# KiCad board Soldered Inkplate 6 FLICK_panel.kicad_pcb (continued)
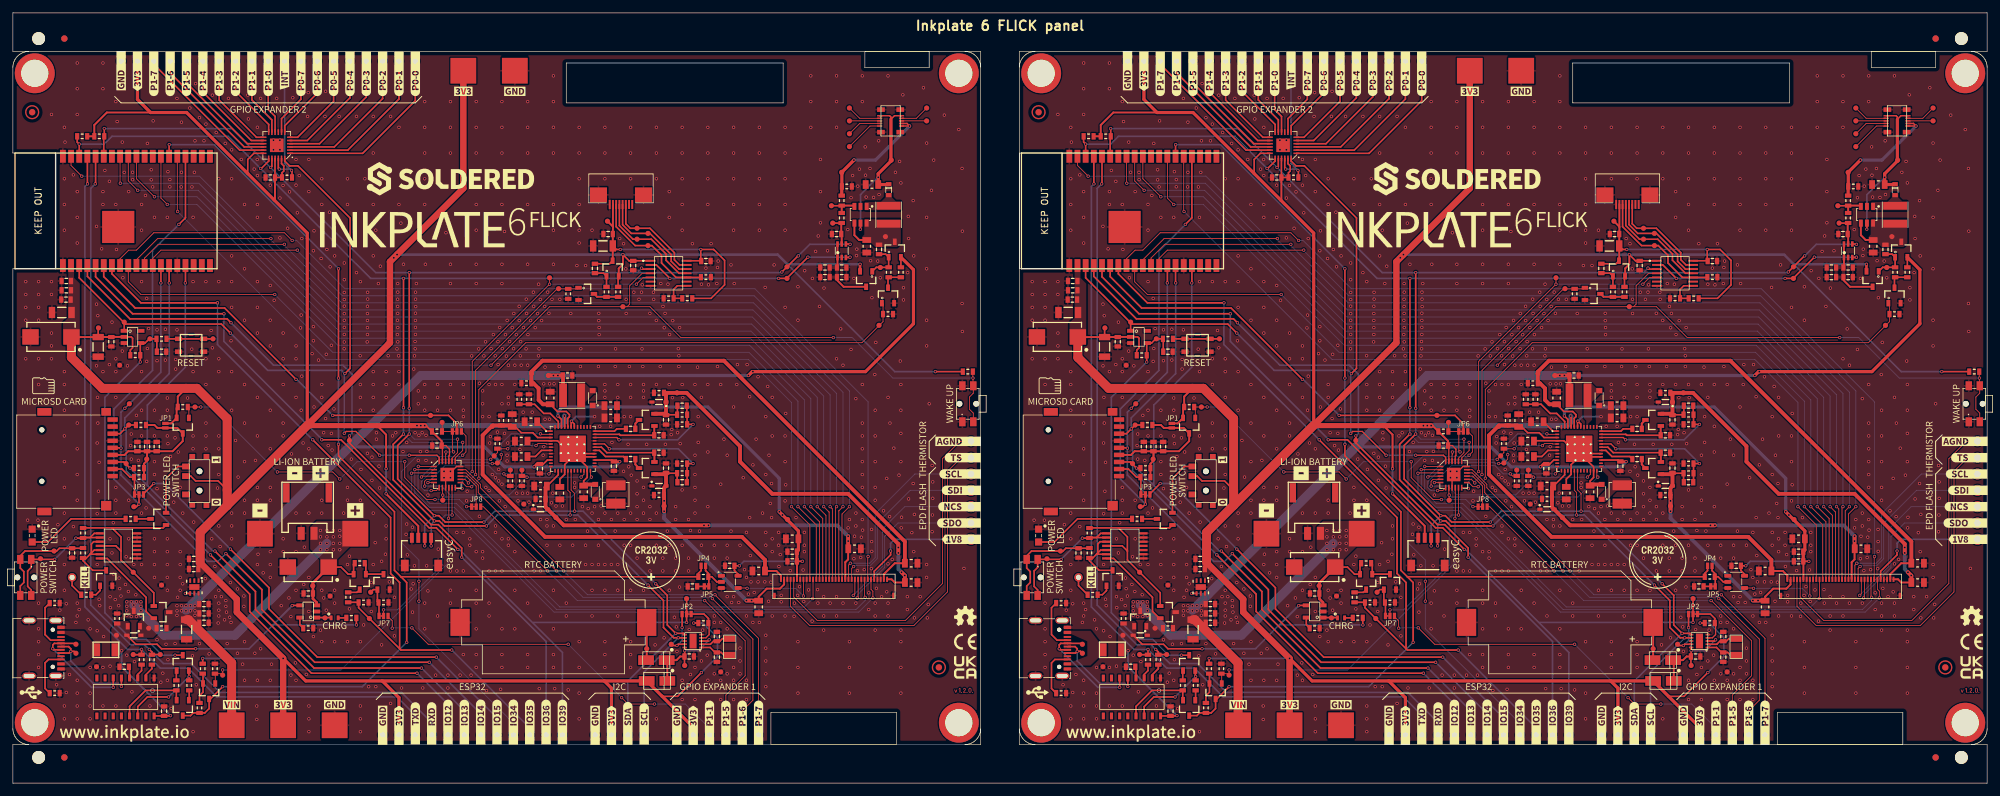
[diagram p0: board, top side]
## Routing (per net, layer and track width the routed paths; a pad name or vN(x,y) marks a point on that pad's centre or on a via; arc(x,y) is an arc through that point) (continued)
  Bottom w0.127: v1(265.5,29.3) 245.7,29.3 v1(242,33)
Board_1-/POWER/INT_LDO: length 4
  Top w0.254: U1.7 238.55,51.75 237.6,50.8 C4#2.2
Board_1-/POWER/TS: length 8
  Top w0.254: R1.2 R2#2.2 237.48,58.93 238.9,57.5 239.9,57.5 241.15,56.25 U1.47
Board_1-/POWER/VB: length 5.9
  Top w0.254: U1.43 243.15,56.25 v1(243.2,56.3) 243.65,55.85 U1.42
  Bottom w0.3: v1(246.8,57) 243.9,57 v1(243.2,56.3)
Board_1-/POWER/VN: length 21.8
  Top w0.254: C9#2.1 245.1,47 245.65,47.55 U1.23 245.65,49.17 244.62,50.2 U1.49 ; C3.2 236.43,53.25 U1.4 241.04,53.25 U1.49 ; U1.29 245.27,51.25 U1.49 ; C7.2 241.4,47.28 242.15,48.03 U1.16 242.15,49.54 U1.49 ; U1.28 244.65,50.75 U1.49
  Top w0.6: C9#2.1 245.28,46.45 D1.2
Board_1-/POWER/VREF: length 2.7
  Top w0.254: C1.2 239.33,54.75 U1.1
Board_1-/SD_RTC_GPIO/X1: length 4.9
  Top w0.254: U7#2.1 264.75,21.1 265.52,20.33 C36#2.2 266.47,20.33 266.88,19.93 X1#2.1
Board_1-/SD_RTC_GPIO/X2: length 4.8
  Top w0.254: X1#2.2 266.68,22.48 266.27,22.07 C37#2.2 265.27,22.07 264.8,21.6 U7#2.2
Board_1-AGND: length 54.7
  Top w0.127: K15#2.5 277.75,28.95 281.4,25.3 295.1,25.3 300.85,31.05 300.85,50.45 303.56,53.16 K13#2.1
Board_1-BCK_ANODE: length 26.9
  Top w0.23: K11.10 292.65,103.8 292.85,103.6 292.85,103.25 293.4,103.8 K11.9
  Top w0.254: U10.5 288.13,86.18 v1(288.1,86.15)
  Top w0.4: 292.45,93.1 D13#2.2
  Top w0.5: 292.85,103.25 292.85,96.75 290.88,94.78 v1(290.88,94.23) C51.2 292.45,93.1
  Bottom w0.254: v1(288.1,86.15) 288.13,86.18 288.13,91.53 290.85,94.25 v1(290.88,94.23)
Board_1-BCK_CATHODE: length 19.8
  Top w0.23: K11.1 v1(295.75,102.2) 295.35,102.6 K11.3
  Top w0.5: R54.2 285.23,95.03 v1(287.1,96.9) ; R55#2.1 285.2,92.78
  Bottom w0.5: v1(295.75,102.2) 290.45,96.9 v1(287.1,96.9)
Board_1-BCK_MOS: length 6.1
  Top w0.254: Q13#2.1 290.58,80.23 R53#2.2 Q15.1 292.03,82.27 C52.1
Board_1-CHRG-LED: length 2.3
  Top w0.254: D10#2.2 205.8,25.75 U6.1
Board_1-CLKOUT_RTC: length 7.5
  Top w0.254: U7#2.9 259.8,21.6 v1(259.6,21.4) 258.9,21.4 TP74.TP ; v1(260.4,24.2) JP3#2.3
  Bottom w0.254: v1(260.4,24.2) 260.4,22.2 v1(259.6,21.4)
Board_1-D+: length 16.9
  Top w0.254: v1(165.4,20.5) 165.4,20.9 165.06,21.24 K1.A6 ; v1(165.4,20.5) 165.9,20.5 TP18#2.TP ; v1(165.4,20.5) 165.14,20.24 K1.B6 ; U2.5 v1(173.27,15.04)
  Bottom w0.254: v1(173.27,15.04) 172.8,15.5 168.9,15.5 165.4,19 v1(165.4,20.5)
Board_1-D-: length 19
  Top w0.254: U2.6 172,14.91 v1(172,14.9) ; TP17.TP 166.06,21.74 K1.B7 162.84,21.74 162.6,21.5 v1(162.6,20.9) 162.76,20.74 K1.A7
  Bottom w0.254: v1(172,14.9) 168.6,14.9 v1(162.6,20.9)
Board_1-DAC_OUT: length 4.5
  Top w0.127: 285.18,87.1 R56.2
  Top w0.254: TP42.TP 285.18,87.1
  Top w0.3: U9.5 285.2,85.33 ; C49.2 285.13,87.06
Board_1-EPD_CKV: length 157.5
  Top w0.127: K15#2.28 289.25,35.2 v1(289.3,35.25) ; U14.8 173.06,81.56 174.4,82.9 175.6,82.9 178.3,85.6 198.6,85.6 v1(199.8,84.4)
  Bottom w0.127: v1(199.8,84.4) 200.5,84.4 208,76.9 271.7,76.9 289.3,59.3 v1(289.3,35.25)
Board_1-EPD_CL: length 13.3
  Top w0.127: v1(279.25,29.1) K15#2.8 ; v1(270.5,30.3) 270.45,30.35 U12.4
  Bottom w0.127: v1(279.25,29.1) 278.05,30.3 v1(270.5,30.3)
Board_1-EPD_D0: length 148.4
  Top w0.127: v1(279.4,43) 281.75,40.65 K15#2.13 ; U14.26 179.41,90.99 v1(180.4,90)
  Bottom w0.127: v1(180.4,90) 185,90 206.9,68.1 270.9,68.1 279.4,59.6 v1(279.4,43)
Board_1-EPD_D1: length 151.3
  Top w0.127: v1(280.4,43) 282.25,41.15 K15#2.14 ; U14.29 175.6,94 v1(178.4,91.2)
  Bottom w0.127: v1(280.4,43) 280.4,59.8 271,69.2 207,69.2 185,91.2 v1(178.4,91.2)
Board_1-EPD_D2: length 153.7
  Top w0.127: v1(175.8,92.2) 174.33,93.67 U14.30 ; K15#2.15 282.75,41.65 v1(281.4,43)
  Bottom w0.127: v1(175.8,92.2) 185.2,92.2 207.1,70.3 271.1,70.3 281.4,60 v1(281.4,43)
Board_1-EPD_D3: length 156.1
  Top w0.127: U14.31 173.06,93.34 v1(173.1,93.3) ; v1(282.4,43) 283.25,42.15 K15#2.16
  Bottom w0.127: v1(173.1,93.3) 185.3,93.3 207.2,71.4 271.2,71.4 282.4,60.2 v1(282.4,43)
Board_1-EPD_D4: length 163
  Top w0.127: K15#2.17 283.75,42.65 v1(283.4,43) ; v1(167.1,94.4) 165.44,96.06 U14.37
  Bottom w0.127: v1(283.4,43) 283.4,60.4 271.3,72.5 207.3,72.5 185.4,94.4 v1(167.1,94.4)
Board_1-EPD_D5: length 150.1
  Top w0.127: v1(284.4,43) 284.25,42.85 K15#2.18 ; v1(196.5,84.7) 178.9,84.7 175.6,81.4 U14.10
  Bottom w0.127: v1(284.4,43) 284.4,60.6 271.4,73.6 207.4,73.6 196.5,84.5 v1(196.5,84.7)
Board_1-EPD_D6: length 149.6
  Top w0.127: U14.11 176.87,81.67 179,83.8 v1(198.6,83.8) ; v1(285.4,43) 284.75,42.35 K15#2.19
  Bottom w0.127: v1(198.6,83.8) 198.6,83.6 207.5,74.7 271.5,74.7 285.4,60.8 v1(285.4,43)
Board_1-EPD_D7: length 148.8
  Top w0.127: v1(286.4,43) 285.25,41.85 K15#2.20 ; U14.12 178.14,81.63 179.41,82.9 v1(200.6,82.9)
  Bottom w0.127: v1(286.4,43) 286.4,61 271.6,75.8 207.6,75.8 200.6,82.8 v1(200.6,82.9)
Board_1-EPD_GMODE: length 88
  Top w0.127: U13.2 218.88,48.75 v1(218.86,48.76) ; K15#2.27 288.75,29 v1(288.85,28.9)
  Bottom w0.127: v1(218.86,48.76) 218.86,45.14 221.1,42.9 225,42.9 240.9,27 287.43,27 288.85,28.43 v1(288.85,28.9)
Board_1-EPD_LE: length 145
  Top w0.127: v1(182,88.9) 181.95,88.95 U14.24 ; v1(277.4,43) 280.25,40.15 K15#2.10
  Bottom w0.127: v1(277.4,43) 277.4,59.2 270.7,65.9 205,65.9 v1(182,88.9)
Board_1-EPD_OE: length 78.7
  Top w0.127: v1(219.4,49.26) 219.41,49.25 U13.1 ; K15#2.11 280.75,28.75 v1(280.7,28.7)
  Bottom w0.127: v1(219.4,49.26) 219.38,49.24 219.38,45.33 221.2,43.5 225.3,43.5 241.4,27.4 279.4,27.4 v1(280.7,28.7)
Board_1-EPD_SPH: length 143.2
  Top w0.127: v1(197.1,76) 176.3,76 174.33,77.97 U14.9 ; v1(278.4,43) 281.25,40.15 K15#2.12
  Bottom w0.127: v1(278.4,43) 278.4,59.4 270.8,67 206.1,67 v1(197.1,76)
Board_1-EPD_SPV: length 90
  Top w0.127: v1(290.05,28.8) 290.05,29.85 289.75,30.15 K15#2.29 ; v1(218.35,48.2) 218.4,48.25 U13.3
  Bottom w0.127: v1(290.05,28.8) 287.85,26.6 240.5,26.6 224.7,42.4 221,42.4 218.35,45.05 v1(218.35,48.2)
Board_1-EXP2_INT: length 22.3
  Top w0.254: U15#2.22 197.65,95.65 v1(197.8,95.5) ; R60#2.2 199.78,95.23 v1(199.7,95.3)
  Bottom w0.254: K40.1 198.62,96.38 v1(199.7,95.3) 199.5,95.5 v1(197.8,95.5)
Board_1-FRONTLIGHT_FB: length 4.6
  Top w0.127: 285.18,89.8 R55#2.2
  Top w0.254: TP48#2.TP 285.18,89.8
  Top w0.3: R56.1 R55#2.2 287.05,89.83
Board_1-GND: length 3.5
  Top w0.2: U13.18 225.35,49.25 224.6,48.5 v1(224.4,48.5) ; U13.9 223.65,47.25 v1(223.4,47.5)
  vias: v1(158.4,78) v1(158.4,76) v1(158.4,74) v1(158.4,72) v1(158.4,66) v1(158.7,40.9) v1(160.3,40.9) v1(160.4,78) v1(160.4,76) v1(160.4,74) v1(160.4,72) v1(160.4,66) v1(160.4,62) v1(160.4,28) v1(160.4,24) v1(160.4,22) v1(160.4,20) v1(160.4,18) v1(162.4,104) v1(162.4,78) v1(162.4,76) v1(162.4,70) v1(162.4,68) v1(162.4,66) v1(163.2,15.3) v1(163.4,40.2) v1(163.7,26.9) v1(164.4,102) v1(164.4,94) v1(164.4,90) v1(164.4,86) v1(164.4,64) v1(164.4,62) v1(164.4,58) v1(164.4,54) v1(164.4,50) v1(164.4,46) v1(164.4,42) v1(164.4,38) v1(164.4,34) v1(164.4,30) v1(164.4,12) v1(164.4,10) v1(164.5,99.7) v1(164.7,27.9) v1(164.7,14.1) v1(165.2,16.9) v1(165.8,94.6) v1(165.8,39.9) v1(166.2,25) v1(166.4,112) v1(166.4,108) v1(166.4,104) v1(166.4,92) v1(166.4,88) v1(166.4,84) v1(166.4,56) v1(166.4,52) v1(166.4,48) v1(166.4,44) v1(166.4,28) v1(166.4,26) v1(166.4,16) v1(166.4,14) v1(166.4,12) v1(166.4,10) v1(166.7,27) v1(168.1,25.4) v1(168.4,24) v1(168.4,18) v1(168.4,14) v1(168.4,12) v1(168.4,10) v1(169.4,86.6) v1(169.4,74.5) v1(169.4,64.9) v1(169.5,52.9) v1(169.5,41.9) v1(169.5,34) v1(169.5,23.7) v1(169.6,72.7) v1(169.55,60) v1(169.6,56) v1(169.7,45.4) v1(169.8,49.9) v1(169.8,28.6) v1(169.9,27.6) v1(170.2,83.1) v1(170.4,112) v1(170.4,108) v1(170.4,92) v1(170.4,90) v1(170.4,64) v1(170.4,18) v1(170.4,12) v1(170.5,22.8) v1(170.7,95.3) v1(171.4,93.6) v1(171.4,65.1) v1(171.5,38) v1(171.5,29) v1(171.5,18.2) v1(171.55,27.3) v1(171.8,71.7) v1(171.8,35.8) v1(172,40.5) v1(172.05,32.5) v1(172.3,28.55) v1(172.4,106) v1(172.4,90) v1(172.4,66) v1(172.4,64) v1(172.4,60) v1(172.4,46) v1(172.4,44) v1(172.4,42) v1(172.4,12) v1(172.5,83) v1(172.6,102.9) v1(172.9,31.9) v1(172.85,27.6) v1(173,30.25) v1(173.2,29.1) v1(173.4,99.7) v1(173.4,67.2) v1(173.5,78.6) v1(173.7,95) v1(173.9,30.9) v1(174,35.2) v1(174.1,19.9) v1(174.2,64.9) v1(174.4,92) v1(174.4,44) v1(174.4,38) v1(174.35,29.8) v1(174.7,52.5) v1(174.8,54.3) v1(174.8,50.4) v1(174.9,14.2) v1(175,95) v1(175.01,93.86) v1(175.2,34) v1(175.3,18.9) v1(175.5,29.3) v1(175.6,57.2) v1(175.9,50.2) v1(176.4,90) v1(176.4,86) v1(176.4,78) v1(176.4,64) v1(176.4,58) v1(176.4,54) v1(176.4,42) v1(176.4,34) v1(177,91.4) v1(177.1,42.8) v1(177.2,75.4) v1(177.2,65.6) v1(177.3,99.5) v1(177.3,67.6) v1(177.5,70.7) v1(177.7,12) v1(177.9,95.4) v1(177.9,93.83) v1(178.13,92.73) v1(178.2,103) v1(178.4,88) v1(178.4,58) v1(178.4,54) v1(178.4,50) v1(178.4,48) v1(178.4,38) v1(178.4,36) v1(178.4,34) v1(178.4,32) v1(178.8,70.5) v1(178.8,65.7) v1(178.8,45.8) v1(178.8,22.3) v1(179.4,15.7) v1(179.7,17.1) v1(180.1,70.6) v1(180.1,65.8) v1(180.2,21.6) v1(180.4,88) v1(180.4,59.9) v1(180.4,58) v1(180.4,54) v1(180.4,38) v1(180.4,36) v1(180.4,34) v1(180.4,32) v1(180.4,30) v1(180.4,16) v1(180.5,95.1) v1(180.5,52.8) v1(180.5,19.2) v1(180.8,93.87) v1(180.79,92.74) v1(180.9,50.8) v1(181,11.6) v1(181.4,43.7) v1(181.6,53.7) v1(181.6,21.7) v1(181.7,65.9) v1(181.7,64.4) v1(181.9,106.5) v1(181.9,70.5) v1(182,28.9) v1(182.1,51.5) v1(182.4,46) v1(182.4,36) v1(182.4,34) v1(182.4,32) v1(182.4,30) v1(182.6,102.8) v1(182.6,95) v1(182.56,92.73) v1(182.8,42) v1(182.8,31) v1(183.55,59.9) v1(183.9,105) v1(184.23,92.72) v1(184.2,67.5) v1(184.3,19.8) v1(184.4,88) v1(184.4,78) v1(184.4,64) v1(184.4,54) v1(184.4,52) v1(184.4,8) v1(184.5,40.6) v1(184.6,95) v1(184.7,99.9) v1(184.8,108.8) v1(184.9,15.3) v1(185.4,103.5) v1(185.4,21.7) v1(186.1,99.9) v1(186.3,31.8) v1(186.4,102.5) v1(186.4,78) v1(186.4,66) v1(186.4,62) v1(186.4,56) v1(186.4,54) v1(186.4,52) v1(186.9,20.1) v1(187.2,70.4) v1(187.3,38) v1(187.4,107) v1(187.4,67.7) v1(187.8,33.7) v1(187.9,29) v1(188,101.2) v1(188.2,45.9) v1(188.3,24.9) v1(188.4,94) v1(188.4,78) v1(188.4,66) v1(188.4,64) v1(188.4,60) v1(188.4,54) v1(188.4,52) v1(188.4,48) v1(188.4,40) v1(188.4,30) v1(188.4,28) v1(188.4,26.9) v1(188.4,26) v1(188.6,36.8) v1(188.8,29) v1(189.3,25.4) v1(189.4,99.5) v1(189.5,28.4) v1(189.5,27.5) v1(189.6,26.6) v1(189.7,21.7) v1(189.9,106.5) v1(190.1,25.8) v1(190.2,31.2) v1(190.3,68.8) v1(190.3,25) v1(190.4,98.5) v1(190.4,94) v1(190.4,82) v1(190.4,78) v1(190.4,74) v1(190.4,64) v1(190.4,58) v1(190.4,42) v1(190.4,40) v1(190.4,38) v1(191,53.3) v1(191.3,30.2) v1(191.3,20.2) v1(191.4,47.6) v1(191.9,97) v1(192.1,18.5) v1(192.3,29.1) v1(192.3,27.5) v1(192.4,90) v1(192.4,80) v1(192.4,72) v1(192.4,62) v1(192.4,56) v1(192.4,50) v1(192.4,44) v1(192.4,42) v1(192.4,22) v1(192.4,16) v1(192.9,107) v1(193,103.3) v1(193.9,95.5) v1(194,20.2) v1(194.1,50.2) v1(194.3,12) v1(194.3,9.9) v1(194.4,102) v1(194.37,96.99) v1(194.4,94.5) v1(194.4,90) v1(194.4,88) v1(194.4,78) v1(194.4,74) v1(194.4,70) v1(194.4,60) v1(194.4,54) v1(194.4,46) v1(194.4,44) v1(194.4,34) v1(194.4,16) v1(194.5,35.6) v1(194.9,106.5) v1(194.9,20.9) v1(195.3,32.7) v1(196.4,93) v1(196.4,88) v1(196.4,77.4) v1(196.4,72) v1(196.4,68) v1(196.4,58) v1(196.4,52) v1(196.4,46) v1(196.4,44) v1(196.4,36) v1(196.4,34) v1(196.4,32) v1(196.4,16) v1(196.6,18.5) v1(196.9,100) v1(196.9,98.5) v1(197,75.1) v1(197.4,106.5) v1(197.9,100) v1(197.9,98.5) v1(197.9,91) v1(197.9,84.8) v1(198.1,27.6) v1(198.38,92.97) v1(198.4,70) v1(198.4,66) v1(198.4,62) v1(198.4,56) v1(198.4,54) v1(198.4,38) v1(198.4,36) v1(199.1,86.3) v1(199.3,28.8) v1(199.4,91.96) v1(199.6,25.9) v1(199.6,16.8) v1(199.7,51.2) v1(199.9,106.6) v1(200.3,18.7) v1(200.4,97) v1(200.4,93) v1(200.4,68) v1(200.4,66) v1(200.4,60) v1(200.4,42) v1(200.4,36) v1(200.4,30) v1(200.4,16) v1(200.6,88.7) v1(200.9,94.5) v1(201.1,70.8) v1(201.2,72.8) v1(201.2,58) v1(201.3,84.7) v1(201.3,63.3) v1(201.5,52.9) v1(201.6,30.9) v1(201.7,36.7) v1(202,16.9) v1(202.2,103.7) v1(202.3,107.4) v1(202.4,97) v1(202.4,92) v1(202.4,52) v1(202.4,42) v1(202.4,32) v1(202.4,26.7) v1(202.4,12) v1(202.4,10) v1(202.4,8) v1(202.9,66.8) v1(203.1,82.8) v1(203.1,71) v1(203.1,68.8) v1(203.1,22.8) v1(203.2,85.9) v1(203.2,58.5) v1(203.9,65.8) v1(204.2,23.8) v1(204.3,81.6) v1(204.4,94) v1(204.4,90) v1(204.4,62) v1(204.4,60) v1(204.4,44) v1(204.4,42) v1(204.4,30) v1(204.4,22) v1(204.7,54.5) v1(204.7,28.8) v1(204.9,103.7) v1(205,107.6) v1(205,56.7) v1(205.1,66.7) v1(205.1,26.9) v1(205.2,83) v1(205.4,52.5) v1(205.6,88.8) v1(205.7,80.3) v1(205.9,68.1) v1(205.9,54.4) v1(206,51.8) v1(206.3,58.2) v1(206.4,82) v1(206.4,30) v1(206.4,28) v1(206.4,22) v1(207.1,103.7) v1(207.8,42) v1(207.9,80.9) v1(207.9,78.3) v1(207.9,76.31) v1(207.9,75.21) v1(207.9,74.19) v1(207.9,73.01) v1(207.9,71.99) v1(207.9,70.89) v1(207.9,69.79) v1(207.9,68.61) v1(207.88,67.55) v1(208.4,94) v1(208.4,90) v1(208.4,46) v1(208.4,44) v1(208.4,34) v1(208.4,22) v1(208.7,35.3) v1(208.7,27.1) v1(209,50.4) v1(209.8,103.7) v1(209.8,79.4) v1(210.4,78) v1(210.37,66.48) v1(210.4,62) v1(210.4,60) v1(210.4,58) v1(210.4,44) v1(210.4,22) v1(210.4,12) v1(210.4,10) v1(210.4,8) v1(210.5,48.8) v1(210.9,24.6) v1(211.1,94) v1(211.53,76.34) v1(211.54,75.28) v1(211.5,74.17) v1(211.5,73.04) v1(211.5,71.96) v1(211.5,70.85) v1(211.5,69.78) v1(211.46,68.63) v1(211.5,51.3) v1(211.7,15) v1(212.1,31.2) v1(212.1,26.7) v1(212.2,50.7) v1(212.2,47.1) v1(212.4,103.7) v1(212.4,98) v1(212.4,90) v1(212.4,82) v1(212.4,64) v1(212.4,62) v1(212.4,60) v1(212.4,58) v1(212.4,42) v1(212.4,34) v1(212.7,37.4) v1(212.8,86) v1(212.8,15) v1(212.9,54.5) v1(212.9,53.5) v1(213.2,77.7) v1(213.3,49.3) v1(213.4,45.9) v1(213.5,80.4) v1(213.7,34.5) v1(213.7,21.5) v1(214.3,35.6) v1(214.4,64) v1(214.4,62) v1(214.4,60) v1(214.4,40) v1(214.4,38) v1(214.72,66.48) v1(214.9,31.3) v1(215.1,103.7) v1(215.1,12.4) v1(215.4,54) v1(215.7,28.9) v1(215.7,22.9) v1(215.9,54.5) v1(216.09,67.54) v1(216.2,77.7) v1(216.22,76.37) v1(216.19,75.26) v1(216.19,74.15) v1(216.2,73.06) v1(216.17,71.98) v1(216.22,70.85) v1(216.15,69.77) v1(216.22,68.63) v1(216.35,66.46) v1(216.4,102) v1(216.4,90) v1(216.4,64) v1(216.4,62) v1(216.7,87.1) v1(216.8,14.8) v1(217.03,51.57) v1(217.1,80.7) v1(217.5,38.7) v1(217.6,53) v1(217.6,40.3) v1(217.7,35.5) v1(218.3,30.2) v1(218.5,39.8) v1(218.5,26.6) v1(218.6,31) v1(218.7,64.4) v1(218.82,66.45) v1(218.8,33.8) v1(218.9,68.69) v1(218.92,67.55) v1(218.9,54.5) v1(218.97,76.36) v1(218.99,75.27) v1(219,74.11) v1(218.96,73.09) v1(218.96,71.96) v1(218.96,70.89) v1(218.96,69.78) v1(219.1,77.7) v1(219.4,61) v1(219.4,59) v1(219.4,50.2) v1(219.5,54.1) v1(219.73,51.57) v1(220,54.5) v1(220.1,14.8) v1(220.4,106) v1(220.4,102) v1(220.4,98) v1(220.4,94) v1(220.4,90) v1(220.4,62) v1(220.4,60) v1(220.4,58) v1(220.4,28) v1(220.4,24) v1(220.5,80.7) v1(220.6,54.1) v1(220.6,50.2) v1(220.75,51.59) v1(220.7,33.8) v1(220.9,44.8) v1(220.9,29.9) v1(222.1,16.8) v1(222.4,62) v1(222.4,60) v1(222.4,58) v1(222.4,26) v1(222.5,36.4) v1(223.4,48.5) v1(223.7,85.6) v1(224,16.8) v1(224,14.8) v1(224.4,106) v1(224.4,102) v1(224.4,98) v1(224.4,80.7) v1(224.4,77.7) v1(224.4,62) v1(224.4,60) v1(224.4,58) v1(224.4,47.5) v1(224.4,33) v1(224.4,30) v1(224.4,28) v1(225.4,39) v1(225.4,33) v1(225.9,16.8) v1(226.4,62) v1(226.4,60) v1(226.4,58) v1(226.4,57) v1(226.4,39) v1(226.4,33) v1(226.4,20) v1(226.9,43.9) v1(227,45.4) v1(227.4,38) v1(227.4,37) v1(227.6,16.8) v1(227.7,66.44) v1(228.4,106) v1(228.4,102) v1(228.4,98) v1(228.4,90) v1(228.4,86) v1(228.4,80.7) v1(228.4,77.7) v1(228.4,36) v1(228.4,30) v1(228.4,28) v1(228.4,24) v1(228.4,20) v1(228.4,18) v1(228.79,67.53) v1(228.9,62.2) v1(228.9,41.5) v1(229.4,61) v1(229.4,59) v1(229.4,57) v1(229.4,36) v1(229.4,35) v1(229.6,66.45) v1(229.85,68.63) v1(229.9,46) v1(230,14.4) v1(230.4,62) v1(230.4,57) v1(230.4,45.5) v1(230.4,33) v1(230.4,28) v1(230.4,26) v1(230.5,52.9) v1(230.6,53.9) v1(230.71,67.59) v1(230.9,48) v1(231.07,69.76) v1(231.35,66.46) v1(231.4,62) v1(231.4,47.5) v1(231.4,40) v1(231.4,39) v1(231.4,33) v1(231.7,54.6) v1(231.79,68.66) v1(231.8,65.1) v1(231.9,48.8) v1(231.9,47) v1(232,43.9) v1(232.06,70.87) v1(232.2,14.6) v1(232.4,106) v1(232.4,102) v1(232.4,98) v1(232.4,90) v1(232.4,80.7) v1(232.4,77.7) v1(232.4,62) v1(232.4,59) v1(232.4,46.5) v1(232.4,38) v1(232.4,33) v1(232.4,24) v1(232.4,20) v1(232.4,18) v1(232.46,67.59) v1(232.8,85.8) v1(232.8,54.4) v1(232.9,43) v1(232.95,69.75) v1(233.09,66.42) v1(233.21,71.97) v1(233.2,51) v1(233.2,50.1) v1(233.3,52.9) v1(233.4,65) v1(233.4,60) v1(233.4,59) v1(233.4,38) v1(233.4,37) v1(233.6,68.67) v1(234,70.84) v1(234.22,67.57) v1(234.25,73.05) v1(234.4,65) v1(234.4,62) v1(234.4,36) v1(234.4,30) v1(234.4,24) v1(234.63,69.74) v1(234.7,45.1) v1(234.9,43.9) v1(235.08,74.16) v1(235.09,71.95) v1(235.2,51.9) v1(235.31,68.68) v1(235.26,66.45) v1(235.4,65) v1(235.6,45.1) v1(235.74,70.87) v1(235.7,57.7) v1(236.18,75.27) v1(236.24,73.06) v1(236.15,67.55) v1(236.4,106) v1(236.4,102) v1(236.4,98) v1(236.4,90) v1(236.4,80.7) v1(236.45,69.76) v1(236.4,65) v1(236.4,45.1) v1(236.4,28) v1(236.4,20) v1(236.4,18) v1(236.6,43.7) v1(236.86,71.96) v1(237.1,57.7) v1(237.28,76.36) v1(237.34,74.16) v1(237.4,33) v1(237.57,70.85) v1(237.93,73.03) v1(238.1,77.6) v1(238.08,66.46) v1(238.17,67.55) v1(238.2,14.7) v1(238.37,75.23) v1(238.4,41) v1(238.4,33) v1(238.4,26) v1(238.57,71.95) v1(238.8,51) v1(238.9,62.1) v1(238.9,52.33) v1(239.05,74.14) v1(239.1,64.7) v1(239.1,56.6) v1(239.4,41) v1(239.4,40) v1(239.4,37) v1(239.52,76.37) v1(239.7,73.08) v1(239.8,62.1) v1(239.8,56.6) v1(240.1,43.6) v1(240.18,75.26) v1(240.3,45.1) v1(240.4,110) v1(240.4,106) v1(240.4,102) v1(240.4,98) v1(240.4,90) v1(240.4,86) v1(240.4,80.7) v1(240.4,40) v1(240.4,30) v1(240.4,24) v1(240.4,20) v1(240.4,18) v1(240.5,62.1) v1(240.6,14.7) v1(240.8,43.1) v1(241.3,64.8) v1(241.4,75.25) v1(241.4,37) v1(241.8,43.1) v1(242.4,41) v1(242.4,28) v1(242.4,26) v1(242.7,14.5) v1(243.1,73.05) v1(243.4,37) v1(243.4,33) v1(243.7,46.7) v1(243.7,46) v1(243.8,41) v1(244.05,80.5) v1(244.4,102) v1(244.4,98) v1(244.4,94) v1(244.4,90) v1(244.4,86) v1(244.4,84) v1(244.4,22) v1(244.4,18) v1(244.4,14) v1(244.4,10) v1(244.6,64.8) v1(244.66,67.56) v1(244.9,43) v1(245.4,80.5) v1(245.4,37) v1(245.4,34) v1(245.7,39.2) v1(245.8,42.7) v1(246.4,86) v1(246.4,42) v1(246.4,34) v1(246.4,30) v1(246.4,26) v1(246.8,43) v1(247.4,64.8) v1(247.4,41) v1(247.4,37) v1(247.4,34) v1(247.45,73.07) v1(247.45,71.93) v1(247.5,70.86) v1(247.5,69.76) v1(247.6,55.5) v1(247.8,43.1) v1(248.4,102) v1(248.4,98) v1(248.4,94) v1(248.4,62) v1(248.4,61) v1(248.4,60) v1(248.4,42) v1(248.4,34) v1(248.4,30) v1(248.4,22) v1(248.4,20) v1(248.4,18) v1(249.3,55.5) v1(249.4,41) v1(249.4,34) v1(249.5,53) v1(250,64.8) v1(250,39.2) v1(250.06,67.54) v1(250.4,62) v1(250.4,60) v1(250.4,42) v1(250.4,34) v1(250.4,30) v1(250.4,26) v1(250.7,84.7) v1(251.3,83.9) v1(251.3,48.5) v1(251.4,57) v1(251.4,41) v1(251.4,37) v1(251.65,79.98) v1(251.7,75.25) v1(251.7,73.05) v1(252,52.7) v1(252.1,49.2) v1(252.2,64.8) v1(252.4,102) v1(252.4,98) v1(252.4,94) v1(252.4,62) v1(252.4,60) v1(252.4,57) v1(252.4,42) v1(252.4,37) v1(252.4,30) v1(252.4,22) v1(252.4,20) v1(252.4,18) v1(252.5,47.9) v1(252.9,76.35) v1(253.4,47) v1(253.4,45) v1(253.4,43) v1(253.4,41) v1(253.4,35) v1(253.7,75.25) v1(254.09,76.36) v1(254.2,77.5) v1(254.17,67.54) v1(254.3,64.8) v1(254.4,62) v1(254.4,61) v1(254.4,60) v1(254.4,46) v1(254.4,44) v1(254.4,42) v1(254.4,30) v1(254.9,52.7) v1(255.39,73.07) v1(255.4,43) v1(255.4,41) v1(255.4,33) v1(255.94,76.35) v1(255.99,75.25) v1(256.2,21.5) v1(256.4,102) v1(256.4,98) v1(256.4,94) v1(256.39,71.97) v1(256.4,62) v1(256.4,42) v1(256.4,37) v1(256.4,10) v1(257,64.8) v1(257.1,77.7) v1(257.43,74.15) v1(257.4,35) v1(257.4,33) v1(257.62,70.83) v1(257.6,22.6) v1(257.75,73.06) v1(257.8,52.7) v1(258.1,39.2) v1(258.2,77.6) v1(258.4,92) v1(258.4,88) v1(258.4,62) v1(258.4,37) v1(258.4,30) v1(258.46,69.77) v1(258.7,54.2) v1(258.8,55) v1(258.95,71.93) v1(258.9,59.95) v1(259.2,25.8) v1(259.4,43) v1(259.4,41) v1(259.4,35) v1(259.4,33) v1(259.5,24.3) v1(259.6,20.5) v1(259.7,54.5) v1(259.81,67.57) v1(259.9,66.47) v1(259.9,64.8) v1(260.02,70.85) v1(260,30.5) v1(260.1,52.8) v1(260.4,102) v1(260.4,98) v1(260.4,94) v1(260.4,90) v1(260.4,86) v1(260.4,62) v1(260.4,45.6) v1(260.4,37) v1(260.4,16) v1(260.4,13) v1(260.5,59.95) v1(261.4,41) v1(261.4,35) v1(261.4,33) v1(261.5,23.9) v1(261.7,39.3) v1(261.7,16.9) v1(262,83.9) v1(262.4,62) v1(262.4,51) v1(262.4,48) v1(262.4,46) v1(262.4,44) v1(262.4,42) v1(262.4,18) v1(262.4,13) v1(262.8,64.7) v1(262.9,57) v1(262.9,53) v1(263.1,39.2) v1(263.4,77.6) v1(263.4,60) v1(263.4,37) v1(263.4,19) v1(263.6,23.8) v1(264.1,80.1) v1(264.3,19.9) v1(264.4,102) v1(264.4,98) v1(264.4,94) v1(264.4,90) v1(264.4,62) v1(264.4,55.5) v1(264.4,51.5) v1(264.4,43) v1(264.4,16) v1(264.5,77.5) v1(264.9,83.9) v1(265.4,37) v1(265.4,35) v1(265.4,26) v1(265.4,25) v1(265.4,17) v1(265.8,77.7) v1(265.9,80.2) v1(265.9,64.8) v1(266,81.2) v1(266.4,62) v1(266.4,46.5) v1(266.4,25) v1(266.4,16) v1(266.4,13) v1(266.9,53.5) v1(267.4,51) v1(267.4,37) v1(267.4,35) v1(267.4,29) v1(267.4,24) v1(267.4,17) v1(268,80.6) v1(268,39.2) v1(268.1,28.1) v1(268.4,102) v1(268.4,98) v1(268.4,94) v1(268.4,90) v1(268.4,86) v1(268.4,58.5) v1(268.4,29) v1(268.4,18) v1(268.4,16) v1(268.4,13) v1(268.5,77.7) v1(268.9,62) v1(269,65.1) v1(269.2,28.1) v1(269.4,37) v1(269.4,21) v1(269.4,19) v1(269.4,17) v1(269.9,47.5) v1(270.1,33.2) v1(270.4,39) v1(270.4,32) v1(270.4,26) v1(270.4,16) v1(270.4,13) v1(270.5,65.1) v1(270.7,29.4) v1(270.9,60.1) v1(270.9,41.3) v1(271,35.4) v1(271.1,31.3) v1(271.4,49.5) v1(271.4,25) v1(271.6,29.65) v1(271.9,53.5) v1(272.2,63.2) v1(272.2,31.3) v1(272.4,102) v1(272.4,98) v1(272.4,94) v1(272.4,90) v1(272.4,86) v1(272.4,25) v1(272.9,42) v1(273.3,77.1) v1(273.25,31.3) v1(273.4,57) v1(273.4,48) v1(273.4,39) v1(273.4,37) v1(273.4,23) v1(273.4,21) v1(273.4,19) v1(273.4,17) v1(273.4,15) v1(273.7,61.7) v1(273.84,28.29) v1(273.9,51) v1(274.1,43.5) v1(274.2,31.25) v1(274.3,46.6) v1(274.3,41.3) v1(274.4,60) v1(274.4,54) v1(274.4,38) v1(274.4,36) v1(274.4,26) v1(274.7,80.6) v1(275.4,39) v1(275.4,37) v1(275.45,33.7) v1(275.65,35.55) v1(275.8,29.2) v1(275.8,28.2) v1(276.4,102) v1(276.4,98) v1(276.4,94) v1(276.4,90) v1(276.4,86) v1(276.4,74) v1(276.4,54) v1(276.4,50) v1(276.4,43.9) v1(276.4,26) v1(276.5,57.5) v1(276.5,46.4) v1(277.2,33.05) v1(277.8,25.95) v1(277.85,28) v1(278.1,41.3) v1(278.4,77.2) v1(278.4,72) v1(278.35,29.2) v1(278.4,22) v1(278.4,18) v1(278.4,14) v1(278.65,30.55) v1(279.2,33.15) v1(279.3,28.25) v1(279.4,39) v1(279.4,37) v1(279.4,36) v1(279.45,79.7) v1(280.05,30.05) v1(280.4,110) v1(280.4,106) v1(280.4,102) v1(280.6,25.2) v1(280.65,78.5) v1(281.15,82.7) v1(281.45,30.1) v1(281.5,28) v1(281.55,85.1) v1(281.75,74.15) v1(281.9,97) v1(281.9,92) v1(281.9,87.15) v1(282.4,29) v1(282.4,26) v1(282.4,23.8) v1(282.45,77) v1(283,82.8) v1(283.4,28) v1(284.4,110) v1(284.4,106) v1(284.4,102) v1(284.4,66) v1(284.4,29) v1(284.4,26) v1(285.05,70.65) v1(285.4,65) v1(285.4,28) v1(286.15,86.1) v1(286.2,39.7) v1(286.4,41) v1(286.4,22) v1(286.4,18) v1(286.4,14) v1(286.65,91.05) v1(286.65,67.45) v1(286.9,94.5) v1(287.1,78.5) v1(287.1,34.9) v1(287.2,38.4) v1(287.4,59.8) v1(287.4,42) v1(287.4,40) v1(287.4,28) v1(287.5,82.05) v1(287.55,83.05) v1(287.7,92.85) v1(287.65,33.05) v1(287.95,95.5) v1(288.15,35.1) v1(288.25,38.25) v1(288.4,110) v1(288.4,106) v1(288.4,62) v1(288.4,56) v1(288.4,54) v1(288.4,52) v1(288.4,50) v1(288.4,48) v1(288.4,46) v1(288.4,41) v1(288.45,39.35) v1(288.7,33.2) v1(288.85,98.95) v1(288.9,94.55) v1(289,91.15) v1(289.4,29.6) v1(289.4,27) v1(289.6,95.6) v1(289.7,81.25) v1(289.85,39.46) v1(289.8,33.35) v1(289.9,75.5) v1(289.86,37.57) v1(289.87,36.05) v1(290.15,91.1) v1(290.35,63.55) v1(290.4,58) v1(290.4,54) v1(290.4,50) v1(290.4,46) v1(290.4,44) v1(290.4,28) v1(290.4,26) v1(290.4,23.8) v1(290.5,68.55) v1(290.6,30.3) v1(290.8,81.2) v1(290.95,99.9) v1(291,91.55) v1(291.2,78.6) v1(291.4,29) v1(291.7,42.35) v1(292.2,47.4) v1(292.2,29.75) v1(292.4,110) v1(292.4,60) v1(292.4,34.1) v1(292.4,28) v1(292.4,26) v1(292.7,56) v1(292.65,41.45) v1(293.05,34.8) v1(293.3,52.1) v1(293.55,95) v1(294.1,47.9) v1(294.2,96.7) v1(294.3,65.65) v1(294.4,93.35) v1(294.4,62) v1(294.4,58) v1(294.4,54.4) v1(294.4,50) v1(294.4,23.8) v1(294.4,22) v1(294.4,18) v1(294.4,14) v1(294.5,41.35) v1(294.45,39.7) v1(294.7,107.05) v1(294.8,77.05) v1(294.8,75.15) v1(295.4,29) v1(295.4,27) v1(295.45,79.4) v1(295.55,88.15) v1(295.6,84.7) v1(295.6,44.2) v1(296.1,38.95) v1(296.3,90.6) v1(296.3,46.6) v1(296.4,82) v1(296.4,36) v1(296.5,41.8) v1(296.5,25.7) v1(297.4,29) v1(297.9,108.15) v1(298.4,99.55) v1(298.4,88) v1(298.4,80) v1(298.4,72) v1(298.4,68) v1(298.4,34) v1(298.4,32) v1(298.5,25.7) v1(298.65,27.8) v1(298.8,59) v1(299.15,92.2) v1(299.25,49.4) v1(299.3,41.7) v1(299.25,39.1) v1(299.35,46.85) v1(299.35,44.3) v1(299.5,96.9) v1(301.15,103.9) v1(303.4,101.65) v1(303.9,95.6) v1(303.9,74.6) v1(303.95,85.85) v1(303.95,70.25) v1(304.2,33.4)
Board_1-GPB3: length 87.7
  Top w0.127: v1(228.83,47.42) 228.81,47.44 228.81,61.21 236.1,68.5 288.35,68.5 291.63,71.78 R51#2.2 291.63,74.48 Q14.1 ; U13.13 226.25,46.75 226.9,46.1 v1(227.7,46.1)
  Bottom w0.127: v1(228.83,47.42) 228.83,47.22 v1(227.7,46.1)
